# Altium PCB Bran_Main_Assay_PCB_v2_20170726.PcbDoc (part 1 of 5) (continued)
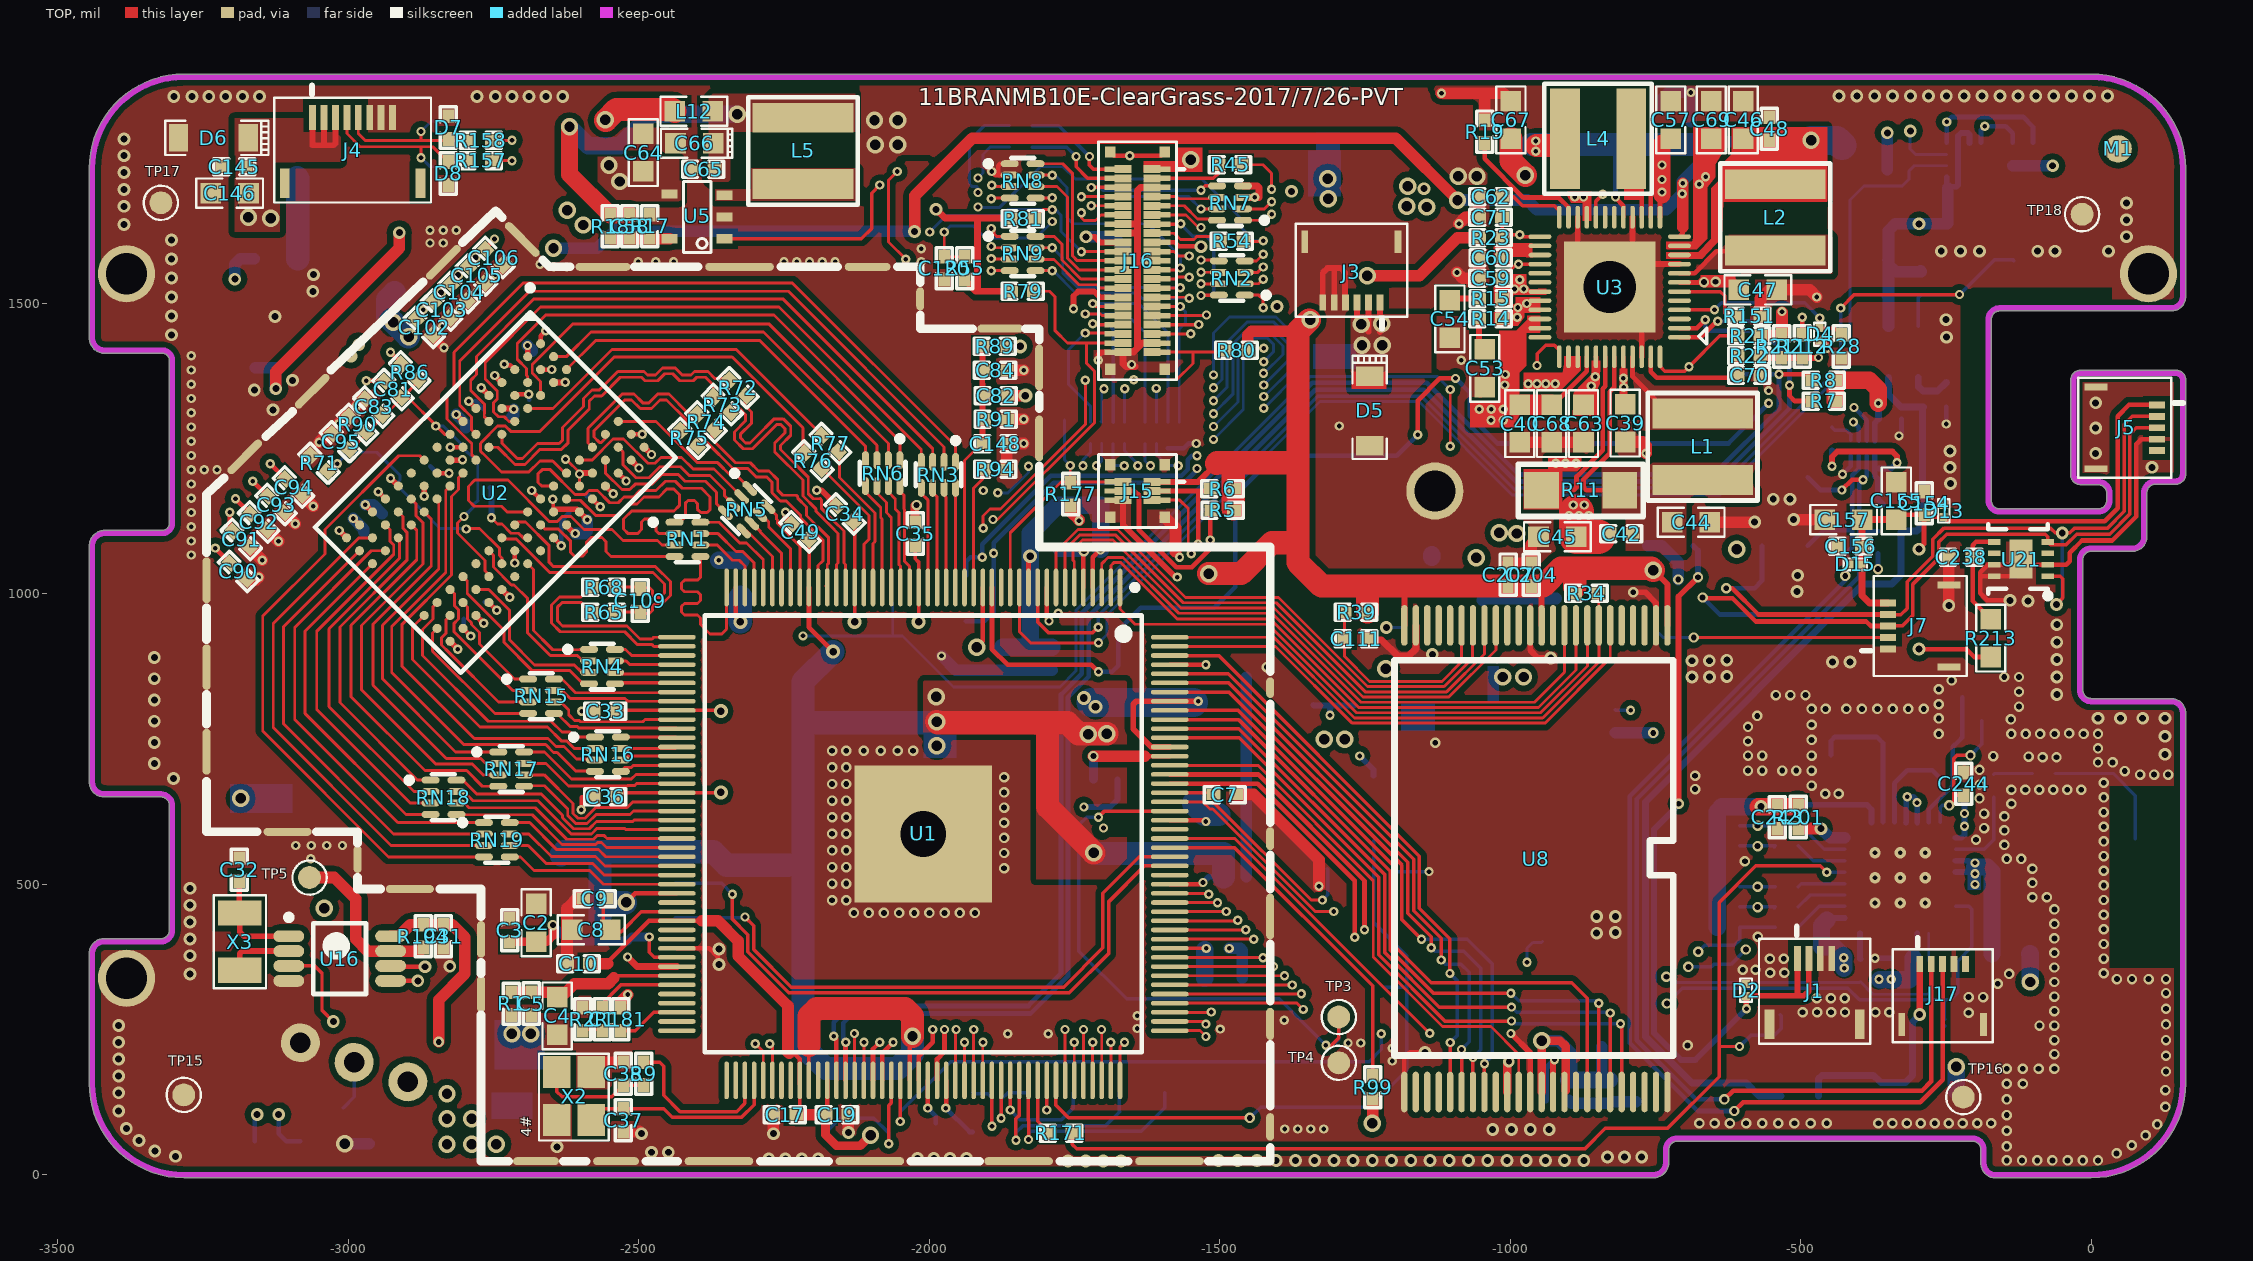
[diagram p0: TOP view]
## Components (designator, comment, footprint, x,y, rotation, side; value= is the part's Value field where it differs from the comment) (continued)
RN10 "100R*4" RCA50-8/3 -1599.45,1273.19 r90 bottom
RN11 "100R*4" RCA50-8/3 -1693.45,1273.19 r90 bottom
RN15 "33R*4" RCA50-8/3 -2668.43,823.92 r0 top
RN16 "33R*4" RCA50-8/3 -2553.34,724.04 r0 top
RN17 "33R*4" RCA50-8/3 -2719.8,698.5 r0 top
RN18 "33R*4" RCA50-8/3 -2836.43,649.92 r0 top
RN19 "33R*4" RCA50-8/3 -2744.43,576.92 r0 top
TP2 "Test Point" TESTPOINT1 -133.86,1574.8 r270 bottom
TP3 "Test Point" TESTPOINT1 -1295.28,271.65 r90 top
TP4 "Test Point" TESTPOINT1 -1295.28,192.91 r90 top
TP5 "32K" TESTPOINT2 -3066.93,511.81 r90 top
TP6 "Test Point" TESTPOINT2 -488.19,1437.01 r270 bottom
TP7 "Test Point" TESTPOINT2 -594.49,1377.95 r90 bottom
TP8 "Test Point" TESTPOINT2 -429.13,1770.76 r90 bottom
TP9 "Test Point" TESTPOINT2 -2633.86,551.18 r90 bottom
TP10 "Test Point" TESTPOINT2 -2707.46,118 r90 bottom
TP11 "Test Point" TESTPOINT2 -566.93,1771.65 r90 bottom
TP12 "Test Point" TESTPOINT2 -350.39,1574.8 r90 bottom
TP13 "Test Point" TESTPOINT2 -933.07,1110.24 r90 bottom
TP14 "Test Point" TESTPOINT2 -1216.54,322.83 r270 bottom
TP15 "Test Point" TESTPOINT2 -3283.46,137.8 r90 top
TP16 "Test Point" TESTPOINT2 -220.47,133.86 r90 top
TP17 "Test Point" TESTPOINT2 -3322.83,1673.23 r270 top
TP18 "Test Point" TESTPOINT2 -15.75,1653.54 r270 top
TP19 "Test Point" TESTPOINT2 -3283.46,302.25 r90 bottom
TP20 "Test Point" TESTPOINT2 -299.21,133.86 r90 bottom
TP21 "Test Point" TESTPOINT2 -3322.83,1751.97 r90 bottom
TP22 "Test Point" TESTPOINT2 -15.75,1574.8 r270 bottom
TP23 "Test Point" TESTPOINT2 -842.52,220.47 r270 bottom
TP24 "Test Point" TESTPOINT2 -767.72,125.98 r270 bottom
TP25 "Test Point" TESTPOINT2 -1663.46,1595 r90 bottom
TP26 "Test Point" TESTPOINT2 -2062.99,984.25 r270 bottom
TP27 "Test Point" TESTPOINT2 -921.26,992.13 r270 bottom
TP28 "Test Point" TESTPOINT2 -1937.01,1031.5 r270 bottom
TP29 "Test Point" TESTPOINT2 -1937.01,952.76 r270 bottom
TP30 "Test Point" TESTPOINT2 -1767.72,1299.21 r270 bottom
TP31 "Test Point" TESTPOINT2 -685.04,1082.68 r270 bottom
TP32 "Test Point" TESTPOINT2 -1314.96,1409.45 r270 bottom
TP33 "Test Point" TESTPOINT2 -1314.96,1771.65 r270 bottom
TP34 "Test Point" TESTPOINT2 -1157.48,787.4 r270 bottom
TP35 "Test Point" TESTPOINT2 -566.93,964.57 r270 bottom
TP36 "Test Point" TESTPOINT2 -566.93,1082.68 r90 bottom
TP37 "Test Point" TESTPOINT2 -944.88,401.57 r90 bottom
TP38 "Test Point" TESTPOINT1 -1673.23,141.73 r90 bottom
TP39 "Test Point" TESTPOINT1 -1751.97,141.73 r90 bottom
TP40 "Test Point" TESTPOINT1 -1830.71,141.73 r90 bottom
TP41 "Test Point" TESTPOINT1 -1925.2,141.73 r90 bottom
TP42 "Test Point" TESTPOINT1 -1594.49,141.73 r90 bottom
TP43 "Test Point" TESTPOINT1 -535.43,275.59 r90 bottom
TP44 "Test Point" TESTPOINT1 -251.97,267.72 r90 bottom
TP45 "Test Point" TESTPOINT1 -649.61,362.2 r90 bottom
TP46 "Test Point" TESTPOINT2 -291.34,1267.72 r90 bottom
TP47 "Test Point" TESTPOINT2 -488.19,1200.79 r90 bottom
TP48 "Test Point" TESTPOINT2 -488.19,1082.68 r270 bottom
TP49 "Test Point" TESTPOINT2 -3125.98,649.61 r270 bottom
TP50 "Test Point" TESTPOINT2 -763.78,1082.68 r270 bottom
TP51 "Test Point" TESTPOINT2 -220.47,133.86 r90 bottom
TP52 "Test Point" TESTPOINT2 -2826.77,1735.32 r270 bottom
TP53 "Test Point" TESTPOINT2 -2826.77,1814.06 r270 bottom
TP54 "Test Point" TESTPOINT2 -3161.42,59.06 r270 bottom
TP55 "Test Point" TESTPOINT2 -3082.68,59.06 r270 bottom
TP56 "Test Point" TESTPOINT2 -3240.16,59.06 r270 bottom
TP57 "Test Point" TESTPOINT1 -1295.28,271.65 r270 bottom
TP85 "Test Point" TESTPOINT2 -2003.94,73.91 r270 bottom
TP86 "Test Point" TESTPOINT2 -744.09,929.13 r270 bottom
TP87 "Test Point" TESTPOINT2 -2181.1,69.97 r270 bottom
TP88 "Test Point" TESTPOINT2 -1314.96,526.66 r270 bottom
TP89 "Test Point" TESTPOINT2 -1925.2,73.91 r270 bottom
U1 "R8" TQFP177P0_4 -2010.43,586.92 r270 top locked
U2 "DDR3-FBGA96" FBGA96C80P9X13 -2747.05,1174.55 r315 top locked
U3 "AXP209" QFN48_6X6 -829.02,1528.31 r180 top locked
U4 "AP3410/SY8088" SOT-23-5 -3124.45,1576.74 r270 bottom
U5 "AP3410/SY8088" SOT-23-5 -2352.45,1648.74 r180 top
U7 "ESP8089" QFN32 -329.02,511.31 r180 bottom locked
U8 "NAND FLASH X8" SSOP48 -729.65,945.83 r270 top locked
U9 "SGM3756" TDFN-2*2-6L -1142.46,942 r270 bottom
U10 "LIS2DH12" LGA-12 -219.45,1746.83 r270 bottom
U15 "SGM65501-ADJ" TSOT-23-6 -1198.02,631.1 r90 bottom
U16 "PCF8563/AT8563S" SO8N -3015.02,372.46 r0 top
U19 "MAX8891EXK18+T" SC70 -323.46,1416.61 r270 bottom
U20 "TXS0102DQER" DQE -393.46,1251 r180 bottom
U21 "STS30" DFN -121,1060 r90 top
X1 "NC-XTAL3225-26M" XTAL/3225 -314.94,696.94 r180 bottom
X2 "24M-18pF-3225-10PPM" XTAL/3225 -2582.02,94.31 r90 top
X3 "32.768K/12.5pF/±10ppm" 3215 -3187.02,401.46 r90 top

## Footprints (in the part's own frame and the unit in brackets; to place one, negate y for a bottom-side part, rotate by r counter-clockwise, add the part's x,y. Pads: shape width x height; smd on the part's side, far side on the other; paste and mask are expansions set on the pad)
0201 [mm]
  rect 0.35x0.35 smd: 1(-0.265,0) 2(0.265,0)
  silkscreen extent -0.51,-0.25 0.51,0.25, body extent -0.39,-0.25 0.39,0.25, height 0.3
3215 [mm]
  rect 1.1x1.9 smd: 1(-1.25,0) 2(1.25,0)
  silkscreen extent -2.03,-1.14 2.03,1.14, body extent -1.9,-1.05 1.9,1.05, height 0.8
3216 [mm]
  rect 0.8x0.65 smd: 1(-1.7,-0.475) 3(-1.7,0.475)
  rect 0.8x1.6 smd: 2(1.7,0)
  rect 0.4x0.8 smd: 3(-1.5,0)
  silkscreen extent -2.54,-1.02 2.29,1.02, body extent -1.72,-0.85 1.72,0.85, height 0.7
503304-4240 [mm]
  rect 0.35x0.73 smd: 1(-4,0.635) 2(-4,-0.635) 3(-3.6,0.635) 4(-3.6,-0.635) 5(-3.2,0.635) 6(-3.2,-0.635) 7(-2.8,0.635) 8(-2.8,-0.635) 9(-2.4,0.635) 10(-2.4,-0.635) 11(-2,0.635) 12(-2,-0.635) 13(-1.6,0.635) 14(-1.6,-0.635) 15(-1.2,0.635) 16(-1.2,-0.635) 17(-0.8,0.635) 18(-0.8,-0.635) 19(-0.4,0.635) 20(-0.4,-0.635) 21(0,0.635) 22(0,-0.635) 23(0.4,0.635) 24(0.4,-0.635) 25(0.8,0.635) 26(0.8,-0.635) 27(1.2,0.635) 28(1.2,-0.635) 29(1.6,0.635) 30(1.6,-0.635) 31(2,0.635) 32(2,-0.635) 33(2.4,0.635) 34(2.4,-0.635) 35(2.8,0.635) 36(2.8,-0.635) 37(3.2,0.635) 38(3.2,-0.635) 39(3.6,0.635) 40(3.6,-0.635) 41(4,0.635) 42(4,-0.635)
  rect 0.24x0.45 smd paste+0: 1(-4,1.225) 3(-3.6,1.225) 5(-3.2,1.225) 7(-2.8,1.225) 8(-2.8,-1.225) 9(-2.4,1.225) 10(-2.4,-1.225) 11(-2,1.225) 12(-2,-1.225) 13(-1.6,1.225) 14(-1.6,-1.225) 15(-1.2,1.225) 16(-1.2,-1.225) 17(-0.8,1.225) 18(-0.8,-1.225) 19(-0.4,1.225) 20(-0.4,-1.225) 21(0,1.225) 22(0,-1.225) 23(0.4,1.225) 24(0.4,-1.225) 25(0.8,1.225) 26(0.8,-1.225) 27(1.2,1.225) 28(1.2,-1.225) 29(1.6,1.225) 30(1.6,-1.225) 31(2,1.225) 32(2,-1.225) 33(2.4,1.225) 34(2.4,-1.225) 35(2.8,1.225) 36(2.8,-1.225) 37(3.2,1.225) 38(3.2,-1.225) 39(3.6,1.225) 40(3.6,-1.225) 41(4,1.225) 42(4,-1.225)
  rect 0.24x0.45 smd: 2(-4,-1.225) 4(-3.6,-1.225) 6(-3.2,-1.225)
  rect 0.5x0.47 smd: 43(-4.75,1.195) 44(4.75,1.195) 45(-4.75,-1.195) 46(4.75,-1.195)
  silkscreen extent -5.2,-1.7 5.21,2.03, body extent -5.1,-1.55 5.1,1.55, height 0.68
503480-0500 [mm]
  rect 0.7x0.3 smd: 1(1.325,1) 2(1.325,0.5) 3(1.325,0) 4(1.325,-0.5) 5(1.325,-1)
  rect 1x0.3 smd: 6(-1.325,1.79) 7(-1.325,-1.79)
  silkscreen extent -2.1,-2.19 2.47,2.19, body extent -1.93,-2.04 1.78,2.04, height 1
503480-0600 [mm]
  rect 0.7x0.3 smd: 1(1.325,1.25) 2(1.325,0.75) 3(1.325,0.25) 4(1.325,-0.25) 5(1.325,-0.75) 6(1.325,-1.25)
  rect 1x0.3 smd: 7(-1.325,2.04) 8(-1.325,-2.04)
  silkscreen extent -2.1,-2.44 2.47,2.44, body extent -1.93,-2.29 1.78,2.29, height 1
503480-0620 [mm]
  rect 0.24x0.45 smd paste+0: 1(-0.4,1.225) 3(0,1.225) 5(0.4,1.225)
  rect 0.35x0.73 smd: 1(-0.4,0.635) 2(-0.4,-0.635) 3(0,0.635) 4(0,-0.635) 5(0.4,0.635) 6(0.4,-0.635)
  rect 0.24x0.45 smd: 2(-0.4,-1.225) 4(0,-1.225) 6(0.4,-1.225)
  rect 0.5x0.47 smd: 7(-1.15,1.195) 8(1.15,1.195) 9(-1.15,-1.195) 10(1.15,-1.195)
  silkscreen extent -1.6,-1.7 1.6,2.03, body extent -1.5,-1.55 1.5,1.55, height 0.68
BL-5C [mm]
  round 1.7 hole 0.9: 1(-2.5,0) 2(0,0) 3(2.5,0)
  silkscreen extent -5.1,-1.5 5.1,6.7, body extent -5.14,-0.95 5.14,6.67, height 4.2
C0402 [mm]
  rect 0.6x0.5 smd: 1(-0.5,0) 2(0.5,0)
  silkscreen extent -0.9,-0.35 0.9,0.35, body extent -0.51,-0.25 0.51,0.25, height 0.5
C_0402 [mm]
  rect 0.6x0.5 smd: 1(-0.5,0) 2(0.5,0)
  silkscreen extent -0.9,-0.35 0.9,0.35, body extent -0.51,-0.25 0.51,0.25, height 0.5
C_0603 [mm]
  rect 0.9x0.9 smd: 1(-0.826,0) 2(0.826,0)
  silkscreen extent -1.46,-0.64 1.46,0.64, body extent -1.38,-0.55 1.38,0.55, height 0.9
CD32 [mm]
  rect 1.3x4.4 smd: 1(-1.45,0) 2(1.45,0)
  silkscreen extent -2.35,-2.4 2.35,2.4, body extent -1.92,-2.1 2.27,2.1, height 1.8
DFN [mm]
  rect 0.25x0.55 smd: 1(-0.75,-1.175) 2(-0.25,-1.175) 3(0.25,-1.175) 4(0.75,-1.175) 5(0.75,1.175) 6(0.25,1.175) 7(-0.25,1.175) 8(-0.75,1.175)
  rect 1.7x1 smd: 9(0,0)
  silkscreen extent -1.72,-1.3 1.53,1.43, body extent -1.48,-1.55 1.51,1.55, height 1
DQE [mm]
  rect 0.2x0.53 smd: 1(-0.525,-0.335) 2(-0.175,-0.335) 3(0.175,-0.335) 4(0.525,-0.335) 5(0.525,0.335) 6(0.175,0.335) 7(-0.175,0.335) 8(-0.525,0.335)
  silkscreen extent -1.23,-0.76 0.8,0.76
ESD_0402 [mm]
  rect 0.6x0.5 smd: 1(-0.5,0) 2(0.5,0)
  silkscreen extent -0.9,-0.35 0.9,0.35, body extent -0.51,-0.25 0.51,0.25, height 0.5
FBGA96C80P9X13 [mm]
  round 0.4 smd: A1(-3.2,6) A2(-2.4,6) A3(-1.6,6) A7(1.6,6) A8(2.4,6) A9(3.2,6) B1(-3.2,5.2) B2(-2.4,5.2) B3(-1.6,5.2) B7(1.6,5.2) B8(2.4,5.2) B9(3.2,5.2) C1(-3.2,4.4) C2(-2.4,4.4) C3(-1.6,4.4) C7(1.6,4.4) C8(2.4,4.4) C9(3.2,4.4) D1(-3.2,3.6) D2(-2.4,3.6) D3(-1.6,3.6) D7(1.6,3.6) D8(2.4,3.6) D9(3.2,3.6) E1(-3.2,2.8) E2(-2.4,2.8) E3(-1.6,2.8) E7(1.6,2.8) E8(2.4,2.8) E9(3.2,2.8) F1(-3.2,2) F2(-2.4,2) F3(-1.6,2) F7(1.6,2) F8(2.4,2) F9(3.2,2) G1(-3.2,1.2) G2(-2.4,1.2) G3(-1.6,1.2) G7(1.6,1.2) G8(2.4,1.2) G9(3.2,1.2) H1(-3.2,0.4) H2(-2.4,0.4) H3(-1.6,0.4) H7(1.6,0.4) H8(2.4,0.4) H9(3.2,0.4) J1(-3.2,-0.4) J2(-2.4,-0.4) J3(-1.6,-0.4) J7(1.6,-0.4) J8(2.4,-0.4) J9(3.2,-0.4) K1(-3.2,-1.2) K2(-2.4,-1.2) K3(-1.6,-1.2) K7(1.6,-1.2) K8(2.4,-1.2) K9(3.2,-1.2) L1(-3.2,-2) L2(-2.4,-2) L3(-1.6,-2) L7(1.6,-2) L8(2.4,-2) L9(3.2,-2) M1(-3.2,-2.8) M2(-2.4,-2.8) M3(-1.6,-2.8) M7(1.6,-2.8) M8(2.4,-2.8) M9(3.2,-2.8) N1(-3.2,-3.6) N2(-2.4,-3.6) N3(-1.6,-3.6) N7(1.6,-3.6) N8(2.4,-3.6) N9(3.2,-3.6) P1(-3.2,-4.4) P2(-2.4,-4.4) P3(-1.6,-4.4) P7(1.6,-4.4) P8(2.4,-4.4) P9(3.2,-4.4) R1(-3.2,-5.2) R2(-2.4,-5.2) R3(-1.6,-5.2) R7(1.6,-5.2) R8(2.4,-5.2) R9(3.2,-5.2) T1(-3.2,-6) T2(-2.4,-6) T3(-1.6,-6) T7(1.6,-6) T8(2.4,-6) T9(3.2,-6)
  silkscreen extent -5.38,-6.65 4.5,7.52, body extent -3.5,-6.3 3.5,6.3, height 1
FPC_CON4-KYOCERA [mm] "厂?"
  rect 1.1x0.3 smd: 1(1.435,0.75) 2(1.435,0.25) 3(1.435,-0.25) 4(1.435,-0.75)
  rect 1.3x0.42 smd: 5(-1.435,1.97) 6(-1.435,-1.97)
  silkscreen extent -2.29,-2.43 2.83,2.43, body extent -2.19,-2.28 2.09,2.28, height 1
FPC_CON8-KYOCERA [mm] "厂?"
  rect 1.1x0.3 smd: 1(1.435,1.75) 2(1.435,1.25) 3(1.435,0.75) 4(1.435,0.25) 5(1.435,-0.25) 6(1.435,-0.75) 7(1.435,-1.25) 8(1.435,-1.75)
  rect 1.3x0.42 smd: 9(-1.435,2.97) 10(-1.435,-2.97)
  silkscreen extent -2.29,-3.43 2.83,3.43, body extent -2.19,-3.28 2.09,3.28, height 1
L_0603 [mm]
  rect 0.9x0.9 smd: 1(-0.826,0) 2(0.826,0)
  silkscreen extent -1.46,-0.64 1.46,0.64, body extent -1.38,-0.55 1.38,0.55, height 0.9
LGA-12 [mm]
  rect 0.275x0.25 smd: 1(-0.75,0.75) 2(-0.75,0.25) 3(-0.75,-0.25) 4(-0.75,-0.75) 7(0.75,-0.75) 8(0.75,-0.25) 9(0.75,0.25) 10(0.75,0.75)
  rect 0.25x0.275 smd: 5(-0.25,-0.75) 6(0.25,-0.75) 11(0.25,0.75) 12(-0.25,0.75)
  silkscreen extent -1.14,-1.14 1.14,1.52, body extent -0.99,-0.99 0.99,0.99, height 1.2
MARK_POINT#1 [mil]
  round 47.24 smd: 4(0,0)
  round 160 on Top Solder: 5(0,0)
MARK_POINT#2 [mil]
  round 47.24 smd: 4(0,0)
  round 160 on Bottom Solder: 5(0,0)
PROGRAM_1/2 [mm]
  rect 1.1x2 smd: 1(0,0.95)
  rect 1.1x0.8 smd: 2(0,-0.95)
  silkscreen extent -0.76,-1.52 0.76,2.39, body extent -0.65,-1.45 0.65,2.05, height 0.8
QFN32 [mm] "QFN, 32-Leads, Body 5.00x5.00mm, Pitch 0.50mm, Thermal Pad 3.70x3.70mm, IPC Medium Density"
  oval 0.8x0.25 smd: 1(-2.425,1.75) 2(-2.425,1.25) 3(-2.425,0.75) 4(-2.425,0.25) 5(-2.425,-0.25) 6(-2.425,-0.75) 7(-2.425,-1.25) 8(-2.425,-1.75) 17(2.425,-1.75) 18(2.425,-1.25) 19(2.425,-0.75) 20(2.425,-0.25) 21(2.425,0.25) 22(2.425,0.75) 23(2.425,1.25) 24(2.425,1.75)
  oval 0.25x0.8 smd: 9(-1.75,-2.425) 10(-1.25,-2.425) 11(-0.75,-2.425) 12(-0.25,-2.425) 13(0.25,-2.425) 14(0.75,-2.425) 15(1.25,-2.425) 16(1.75,-2.425) 25(1.75,2.425) 26(1.25,2.425) 27(0.75,2.425) 28(0.25,2.425) 29(-0.25,2.425) 30(-0.75,2.425) 31(-1.25,2.425) 32(-1.75,2.425)
  rect 3.6x3.6 smd: 33(0,0)
  silkscreen extent -3.45,-2.68 2.68,2.67, body extent -2.52,-2.53 2.53,2.52, height 0.8
QFN48_6X6 [mm]
  oval 1x0.2 smd: 1(-3.05,2.2) 2(-3.05,1.8) 3(-3.05,1.4) 4(-3.05,1) 5(-3.05,0.6) 6(-3.05,0.2) 7(-3.05,-0.2) 8(-3.05,-0.6) 9(-3.05,-1) 10(-3.05,-1.4) 11(-3.05,-1.8) 12(-3.05,-2.2) 25(3.05,-2.2) 26(3.05,-1.8) 27(3.05,-1.4) 28(3.05,-1) 29(3.05,-0.6) 30(3.05,-0.2) 31(3.05,0.2) 32(3.05,0.6) 33(3.05,1) 34(3.05,1.4) 35(3.05,1.8) 36(3.05,2.2)
  oval 0.2x1 smd: 13(-2.2,-3.05) 14(-1.8,-3.05) 15(-1.4,-3.05) 16(-1,-3.05) 17(-0.6,-3.05) 18(-0.2,-3.05) 19(0.2,-3.05) 20(0.6,-3.05) 21(1,-3.05) 22(1.4,-3.05) 23(1.8,-3.05) 24(2.2,-3.05) 37(2.2,3.05) 38(1.8,3.05) 39(1.4,3.05) 40(1,3.05) 41(0.6,3.05) 42(0.2,3.05) 43(-0.2,3.05) 44(-0.6,3.05) 45(-1,3.05) 46(-1.4,3.05) 47(-1.8,3.05) 48(-2.2,3.05)
  rect 4x4 / inner round 3.048 / far side round 3.048 hole 2.286: 49(0,0)
  silkscreen extent -4.24,1.8 -3.89,2.49, body extent -3.65,-3.65 3.65,3.65, height 0.8
R0402 [mm]
  rect 0.6x0.5 smd: 1(-0.5,0) 2(0.5,0)
  silkscreen extent -0.9,-0.35 0.9,0.35, body extent -0.51,-0.25 0.51,0.25, height 0.5
R_0402 [mm]
  rect 0.6x0.5 smd: 1(-0.5,0) 2(0.5,0)
  silkscreen extent -0.9,-0.35 0.9,0.35, body extent -0.51,-0.25 0.51,0.25, height 0.5
R_0603 [mm]
  rect 0.9x0.9 smd: 1(-0.826,0) 2(0.826,0)
  silkscreen extent -1.46,-0.64 1.46,0.64, body extent -1.38,-0.55 1.38,0.55, height 0.9
R_0603' [mm]
  rect 0.9x0.9 smd: 1(-0.826,0) 2(0.826,0)
  silkscreen extent 0.32,-0.64 1.46,0.63, body extent -1.38,-0.55 1.38,0.55, height 0.9
R_1206 [mm]
  rect 1.52x1.6 smd: 1(1.71,0) 2(-1.71,0)
  silkscreen extent -2.73,-1.14 2.73,1.14, body extent -2.57,-0.9 2.57,0.9, height 0.9
RCA50-8/3 [mil]
  oval 31x12 smd: 1(-22.23,29.53) 2(-22.23,9.84) 3(-22.23,-9.84) 4(-22.23,-29.53) 5(22.25,-29.53) 6(22.25,-9.84) 7(22.25,9.84) 8(22.25,29.53)
  silkscreen extent -64,-39 20,39, body extent -42,-40 42,40, height 12
SC70 [mm]
  rect 0.9x0.4 smd: 1(-1.125,0.65) 2(-1.125,0) 3(-1.125,-0.65) 4(1.125,-0.65) 5(1.125,0.65)
  silkscreen extent -1.78,-1.1 1.78,1.65, body extent -0.67,-1.1 0.67,1.1, height 1.1
SO8N [mm] "TSOP, 8-Leads, Body 3.00x3.00mm, Pitch 0.65mm, IPC Medium Density"
  oval 1.35x0.52 smd: 1(-2.225,0.975) 2(-2.225,0.325) 3(-2.225,-0.325) 4(-2.225,-0.975) 5(2.225,-0.975) 6(2.225,-0.325) 7(2.225,0.325) 8(2.225,0.975)
  silkscreen extent -2.35,-1.55 1.15,1.92, body extent -1.55,-1.55 1.55,1.55, height 1.1
SOD-123 [mm]
  rect 0.85x1.2 smd: 1(1.525,0) 2(-1.525,0)
  silkscreen extent -2.1,-0.75 2.41,0.75, body extent -2.05,-0.7 2.05,0.7, height 0.8
SOT-23-5 [mm]
  rect 0.7x0.4 smd: 1(0,0.95) 2(0,0) 3(0,-0.95) 4(2.4,-1) 5(2.4,0.95)
  silkscreen extent 0.6,-1.55 1.8,1.55, body extent -0.45,-1.3 2.85,1.25, height 1.25
SSOP48 [mm]
  oval 1.778x0.275 smd: 1(0,0) 2(0,-0.5) 3(0,-1) 4(0,-1.5) 5(0,-2) 6(0,-2.5) 7(0,-3) 8(0,-3.5) 9(0,-4) 10(0,-4.5) 11(0,-5) 12(0,-5.5) 13(0,-6) 14(0,-6.5) 15(0,-7) 16(0,-7.5) 17(0,-8) 18(0,-8.5) 19(0,-9) 20(0,-9.5) 21(0,-10) 22(0,-10.5) 23(0,-11) 24(0,-11.5) 25(20.4,-11.5) 26(20.4,-11) 27(20.4,-10.5) 28(20.4,-10) 29(20.4,-9.5) 30(20.4,-9) 31(20.4,-8.5) 32(20.4,-8) 33(20.4,-7.5) 34(20.4,-7) 35(20.4,-6.5) 36(20.4,-6) 37(20.4,-5.5) 38(20.4,-5) 39(20.4,-4.5) 40(20.4,-4) 41(20.4,-3.5) 42(20.4,-3) 43(20.4,-2.5) 44(20.4,-2) 45(20.4,-1.5) 46(20.4,-1) 47(20.4,-0.5) 48(20.4,0)
  silkscreen extent 1.52,-11.94 18.8,0.25, body extent -0.99,-11.74 21.39,0.24, height 1.2
TAN_0603 [mm]
  rect 0.9x0.9 smd: 1(-0.826,0) 2(0.826,0)
  silkscreen extent -1.65,-0.64 1.46,0.64, body extent -1.38,-0.55 1.38,0.55, height 0.9
TDFN-2*2-6L [mm]
  rect 0.24x0.65 smd: 1(-0.65,-0.975) 2(0,-0.975) 3(0.65,-0.975) 4(0.65,0.975) 5(0,0.975) 6(-0.65,0.975)
  rect 1.4x0.8 smd: 7(0,0)
  silkscreen extent -0.89,-1.76 0.89,1.4
TESTPOINT1 [mm]
  round 1 smd: 1(0,0)
  silkscreen extent -0.75,-0.75 0.75,0.75, body extent -0.6,-0.6 0.6,0.6, height 0.1
TESTPOINT2 [mm]
  round 1 smd: 1(0,0)
  silkscreen extent -0.75,-0.75 0.75,0.75, body extent -0.6,-0.6 0.6,0.6, height 0.1
TQFP177P0_4 [mm]
  oval 1.65x0.2 smd: 1(-10.775,8.6) 2(-10.775,8.2) 3(-10.775,7.8) 4(-10.775,7.4) 5(-10.775,7) 6(-10.775,6.6) 7(-10.775,6.2) 8(-10.775,5.8) 9(-10.775,5.4) 10(-10.775,5) 11(-10.775,4.6) 12(-10.775,4.2) 13(-10.775,3.8) 14(-10.775,3.4) 15(-10.775,3) 16(-10.775,2.6) 17(-10.775,2.2) 18(-10.775,1.8) 19(-10.775,1.4) 20(-10.775,1) 21(-10.775,0.6) 22(-10.775,0.2) 23(-10.775,-0.2) 24(-10.775,-0.6) 25(-10.775,-1) 26(-10.775,-1.4) 27(-10.775,-1.8) 28(-10.775,-2.2) 29(-10.775,-2.6) 30(-10.775,-3) 31(-10.775,-3.4) 32(-10.775,-3.8) 33(-10.775,-4.2) 34(-10.775,-4.6) 35(-10.775,-5) 36(-10.775,-5.4) 37(-10.775,-5.8) 38(-10.775,-6.2) 39(-10.775,-6.6) 40(-10.775,-7) 41(-10.775,-7.4) 42(-10.775,-7.8) 43(-10.775,-8.2) 44(-10.775,-8.6) 89(10.775,-8.6) 90(10.775,-8.2) 91(10.775,-7.8) 92(10.775,-7.4) 93(10.775,-7) 94(10.775,-6.6) 95(10.775,-6.2) 96(10.775,-5.8) 97(10.775,-5.4) 98(10.775,-5) 99(10.775,-4.6) 100(10.775,-4.2) 101(10.775,-3.8) 102(10.775,-3.4) 103(10.775,-3) 104(10.775,-2.6) 105(10.775,-2.2) 106(10.775,-1.8) 107(10.775,-1.4) 108(10.775,-1) 109(10.775,-0.6) 110(10.775,-0.2) 111(10.775,0.2) 112(10.775,0.6) 113(10.775,1) 114(10.775,1.4) 115(10.775,1.8) 116(10.775,2.2) 117(10.775,2.6) 118(10.775,3) 119(10.775,3.4) 120(10.775,3.8) 121(10.775,4.2) 122(10.775,4.6) 123(10.775,5) 124(10.775,5.4) 125(10.775,5.8) 126(10.775,6.2) 127(10.775,6.6) 128(10.775,7) 129(10.775,7.4) 130(10.775,7.8) 131(10.775,8.2) 132(10.775,8.6)
  oval 0.2x1.65 smd: 45(-8.6,-10.775) 46(-8.2,-10.775) 47(-7.8,-10.775) 48(-7.4,-10.775) 49(-7,-10.775) 50(-6.6,-10.775) 51(-6.2,-10.775) 52(-5.8,-10.775) 53(-5.4,-10.775) 54(-5,-10.775) 55(-4.6,-10.775) 56(-4.2,-10.775) 57(-3.8,-10.775) 58(-3.4,-10.775) 59(-3,-10.775) 60(-2.6,-10.775) 61(-2.2,-10.775) 62(-1.8,-10.775) 63(-1.4,-10.775) 64(-1,-10.775) 65(-0.6,-10.775) 66(-0.2,-10.775) 67(0.2,-10.775) 68(0.6,-10.775) 69(1,-10.775) 70(1.4,-10.775) 71(1.8,-10.775) 72(2.2,-10.775) 73(2.6,-10.775) 74(3,-10.775) 75(3.4,-10.775) 76(3.8,-10.775) 77(4.2,-10.775) 78(4.6,-10.775) 79(5,-10.775) 80(5.4,-10.775) 81(5.8,-10.775) 82(6.2,-10.775) 83(6.6,-10.775) 84(7,-10.775) 85(7.4,-10.775) 86(7.8,-10.775) 87(8.2,-10.775) 88(8.6,-10.775) 133(8.6,10.775) 134(8.2,10.775) 135(7.8,10.775) 136(7.4,10.775) 137(7,10.775) 138(6.6,10.775) 139(6.2,10.775) 140(5.8,10.775) 141(5.4,10.775) 142(5,10.775) 143(4.6,10.775) 144(4.2,10.775) 145(3.8,10.775) 146(3.4,10.775) 147(3,10.775) 148(2.6,10.775) 149(2.2,10.775) 150(1.8,10.775) 151(1.4,10.775) 152(1,10.775) 153(0.6,10.775) 154(0.2,10.775) 155(-0.2,10.775) 156(-0.6,10.775) 157(-1,10.775) 158(-1.4,10.775) 159(-1.8,10.775) 160(-2.2,10.775) 161(-2.6,10.775) 162(-3,10.775) 163(-3.4,10.775) 164(-3.8,10.775) 165(-4.2,10.775) 166(-4.6,10.775) 167(-5,10.775) 168(-5.4,10.775) 169(-5.8,10.775) 170(-6.2,10.775) 171(-6.6,10.775) 172(-7,10.775) 173(-7.4,10.775) 174(-7.8,10.775) 175(-8.2,10.775) 176(-8.6,10.775)
  rrect0% 6x6 hole 2: 177(0,0)
  silkscreen extent -10.9,-9.55 9.55,9.55, body extent -11.7,-11.7 11.7,11.7, height 1.6
TSOT-23-6 [mil]
  rect 50x25 smd: 1(-56,37.4) 2(-56,0) 3(-56,-37.4) 4(56,-37.4) 5(56,0) 6(56,37.4)
  silkscreen extent -25,-65 25,65, body extent -85,-54 85,54, height 39
WTB_SIDE_6PIN [mm]
  rect 0.7x2.7 smd: 1(1.95,-3.7) 2(3.45,-3.7) 3(4.95,-3.7) 4(6.45,-3.7) 5(7.95,-3.7) 6(9.45,-3.7)
  rect 1.1x1.9 smd: 7(0,0) 8(11.4,0)
  silkscreen extent -1,-5.2 12.4,1.95, body extent -0.65,-5.15 12.05,1.05, height 3.75
XTAL/3225 [mm]
  rect 1.4x1.2 smd: 1(0,0) 2(2.1,0) 3(2.1,1.5) 4(0,1.5)
  silkscreen extent -0.89,-0.76 2.9,2.29, body extent -0.8,-0.7 2.9,2.2, height 0.8

## Free pads (board coordinates)
  round 98.43 hole 70.87: 0(-3381.89,338.58) 0(-3381.89,1551.18) 0(-1129.92,1177.17) 0(98.43,1551.18)
  oval 13.78x78.74 smd: 1(-3244.09,728.35) 1(-3244.09,874.02) 1(-3244.09,1023.62) 1(-1811.02,1267.72) 1(-1811.02,1389.76) 1(-1413.39,444.88)
  oval 78.74x13.78 smd rot 45: 1(-3178.44,1235.98) 1(-3062.43,1348.97) 1(-2836.41,1570.74)
  oval 82.68x13.78 smd: 1(-3104.72,590.55) 1(-2894.2,492.13)
  oval 13.78x47.24 smd: 1(-2984.25,543.31) 1(-1413.39,82.68)
  oval 13.78x62.99 smd: 1(-2771.65,311.02) 1(-2771.65,405.51)
  oval 78.74x13.78 smd rot 135: 1(-2700.74,1610.11)
  oval 78.74x13.78 smd: 1(-2677.17,23.62) 1(-2539.37,23.62) 1(-2106.3,1562.99) 1(-1877.95,1456.69)
  oval 94.49x13.78 smd: 1(-2561.81,1563)
  oval 118.11x13.78 smd: 1(-2362.2,23.62) 1(-2326.77,1563) 1(-2102.36,23.62) 1(-1846.46,23.62) 1(-1586.61,23.62)
  oval 13.78x39.37 smd: 1(-2015.75,1507.87) 1(-1413.39,578.74)
  oval 13.78x55.12 smd: 1(-1413.39,259.84)
  oval 13.78x35.43 smd: 1(-1413.39,838.58)
  oval 13.78x59.06 smd far side: 1(-692.91,267.72)
  oval 13.78x78.74 smd far side: 1(-692.91,444.88) 1(-692.91,578.74)
  oval 55.12x13.78 smd far side: 1(-594.49,665.35)
  oval 13.78x64.96 smd far side: 1(-547.24,775.59)
  oval 118.11x13.78 smd far side: 1(-519.69,208.66) 1(-444.88,850.39) 1(-141.73,208.66)
  oval 59.06x13.78 smd far side: 1(-350.39,208.66)
  oval 31.5x13.78 smd far side: 1(-188.98,850.39)
  oval 13.78x31.5 smd far side: 1(-149.61,818.9)
  oval 35.43x13.78 smd far side: 1(-62.99,787.4)
  oval 13.78x118.11 smd far side: 1(-3.94,330.71) 1(-3.94,586.61)

## Via types
v1: diameter 16, hole 8, TOP to BOTTOM, tented both sides, 429 vias
v2: diameter 18, hole 10, TOP to BOTTOM, tented both sides, 255 vias
v3: diameter 22, hole 12, TOP to BOTTOM, tented both sides, 197 vias
v4: diameter 30, hole 18, TOP to BOTTOM, tented both sides, 69 vias
v5: diameter 24, hole 13, TOP to BOTTOM, tented both sides, 11 vias
v6: diameter 19.68, hole 7.87, TOP to BOTTOM, 9 vias
v7: diameter 22, hole 2, TOP to BOTTOM, tented both sides, 2 vias
v8: diameter 20, hole 10, TOP to BOTTOM, tented both sides, 1 vias
v9: diameter 17.99, hole 10, TOP to BOTTOM, tented both sides, 1 vias

## Nets (pads, with @x,y where several pads share a name; then routed paths per layer and width w, separated by ;. In a path a pad name is that pad's centre, name@x,y a point inside that pad or via, vN(x,y) a via of type N, cw(c..) or ccw(c..) an arc to the next point about the centre after c; other vN are vias at no path point)
A0: RN17.4 U2.N3 | length 663.8
  TOP w5: U2.N3@-2891.82,1118.87 -2882.43,1109.48 -2882.43,1058.92 -2995.43,945.92 -2995.43,822.93 -2868.42,695.92 -2796.43,695.92 -2769.48,668.97 RN17.4@-2742.03,668.97
A1: RN15.2 U2.P7 | length 251.4
  TOP w5: U2.P7@-2825.01,1007.52 -2817.12,999.63 -2817.12,979.28 -2810.62,972.78 -2810.62,956.66 -2818.54,948.74 -2818.54,935.29 -2717.01,833.76 RN15.2@-2690.66,833.76
A2: RN18.2 U2.P3 | length 577.2
  TOP w5: U2.P3@-2914.09,1096.6 -2911.98,1094.49 -2911.98,1061.37 -3033.43,939.92 -3033.43,805.92 -2887.27,659.76 RN18.2@-2858.66,659.76
A3: RN18.1 U2.N2 | length 593
  TOP w5: U2.N2@-2914.09,1141.15 -2906.2,1133.27 -2906.2,1112.91 -2899.43,1106.14 -2899.43,1057.92 -3014.43,942.92 -3014.43,812.91 -2880.97,679.45 RN18.1@-2858.66,679.45
A4: RN15.1 U2.P8 | length 191.9
  TOP w5: U2.P8@-2802.74,985.24 -2794.85,977.36 -2794.85,957.02 -2788.08,950.25 -2788.08,947.27 -2774.49,933.68 -2774.49,913.97 -2713.97,853.45 RN15.1@-2690.66,853.45
A5: RN18.3 U2.P2 | length 641.2
  TOP w5: U2.P2@-2936.37,1118.87 -2928.47,1110.98 -2928.47,1090.64 -2921.98,1084.15 -2921.98,1068.37 -3054.43,935.92 -3054.43,800.92 -2893.59,640.08 RN18.3@-2858.66,640.08
A6: RN15.3 U2.R8 | length 247
  TOP w5: U2.R8@-2825,962.98 -2832.27,955.71 -2832.27,932.4 -2840.01,924.66 -2840.01,912.22 -2826.57,898.77 -2741.88,814.08 RN15.3@-2690.66,814.08
A7: RN19.3 U2.R2 | length 857.8
  TOP w5: U2.R2@-2958.63,1096.61 -2981.74,1096.61 -3129.43,948.92 -3129.43,769.91 -2926.6,567.08 RN19.3@-2766.66,567.08
A8: RN15.4 U2.T8 | length 251.1
  TOP w5: U2.T8@-2847.28,940.7 -2855.01,932.97 -2855.01,901.51 -2747.89,794.39 RN15.4@-2690.66,794.39
A9: RN19.1 U2.R3 | length 768.5
  TOP w5: U2.R3@-2936.36,1074.33 -2960.57,1074.33 -3092.43,942.47 -3092.43,783.91 -2914.97,606.45 RN19.1@-2766.66,606.45
A10: RN4.2 U2.L7 | length 311
  TOP w5: U2.L7@-2758.2,1074.33 -2750.3,1066.43 -2750.3,1046.1 -2719.61,1015.41 -2714.92,1015.41 -2691.43,991.92 -2691.43,932.9 -2679.41,920.88 -2668.02,909.5 -2652.44,893.92 -2605.99,893.92 RN4.2@-2598.99,886.92 ; RN4.2@-2598.99,886.92 RN4.2@-2585.66,884.76 -2587.83,886.92 RN4.2@-2598.99,886.92
A11: RN16.1 U2.R7 | length 456.7
  TOP w5: U2.R7@-2847.28,985.25 -2854.54,977.99 -2854.54,956.77 -2872.43,938.88 -2872.43,893.93 -2759.42,780.92 -2651.19,780.92 -2632.43,762.16 -2618.45,762.16 -2609.86,753.57 RN16.1@-2575.57,753.57
A12: RN4.4 U2.N7 | length 331.8
  TOP w5: U2.N7@-2802.74,1029.79 -2795.46,1022.51 -2795.46,1000.58 -2732.43,937.55 -2732.43,916.77 -2683.58,867.92 -2618.78,867.92 RN4.4@-2598.78,847.92 ; RN4.4@-2598.78,847.92 -2588.2,847.92 RN4.4@-2585.66,845.39 RN4.4@-2598.78,847.92
A13: RN18.4 U2.T3 | length 593.7
  TOP w5: U2.T3@-2958.63,1052.06 -3074.43,936.26 -3074.43,793.93 -2900.89,620.39 RN18.4@-2858.66,620.39
A14: RN16.2 U2.T7 | length 461.5
  TOP w5: U2.T7@-2869.55,962.98 -2889.43,943.1 -2889.43,886.93 -2773.42,770.92 -2657.43,770.92 -2633.67,747.16 -2624.67,747.16 -2611.39,733.88 RN16.2@-2575.57,733.88
AVCC: C61.1 R181.2 TP11.1 U1.81 U3.12 U4.1 | length 5088
  TOP w8: U3.12@-702.94,1614.99 -703.02,1614.92 U3.12@-708.94,1614.92 -702.94,1620.91 -702.94,1630.99
  TOP w12: v1(-2519.46,375) -2503.04,358.57 U1.81@-2434.64,358.57
  TOP w20: R181.2@-2531.3,287.68 -2531.3,297.8 v1@-2519.02,310.08 ; v3(-2025.46,1624) -2025.46,1685.47 -1926.46,1784.47 -1197.43,1784.47 v4(-1090.94,1677.99) ; -702.94,1630.99 -702.94,1688.99 v1(-702.94,1706.99)
  Singal w20: v4(-3041.46,459) -3214.46,632 -3214.46,1053.47 -3112.43,1155.51 -3112.43,1251.98 -3195.45,1335 v3(-3195.45,1541.74) -3195.45,1542.74 -3160.95,1577.24 -3082.46,1577.24 -3002.84,1656.86 -2691.33,1656.86 -2647.02,1612.55 v4(-2647.02,1595.31)
  POWER w20: v4@-3039.46,461 v4(-3041.46,459) -2762.3,459 -2687.13,383.83 -2528.29,383.83 v1(-2519.46,375) -2519.02,374.55 v1(-2519.02,310.45)
  BOTTOM w20: v3(-3195.45,1541.74) -3195.45,1567.74 -3186.45,1576.74 U4.1@-3161.85,1576.74 ; v4(-2647.02,1595.31) -2571.63,1595.31 -2538.94,1627.99 -2534.95,1624 v3(-2025.46,1624) ; v4(-1090.94,1677.99) -970.94,1677.99 -954.26,1661.31 -731.63,1661.31 v1(-703.94,1688.99) -703.94,1706.99 -703.94,1710.61 -644.02,1770.54 C61.1@-644.02,1778.33 -573.6,1778.33 TP11.1@-566.93,1771.65
BA0: RN17.3 U2.M2 | length 676.8
  TOP w5: U2.M2@-2891.83,1163.41 -2883.93,1155.52 -2883.93,1135.18 -2871.43,1122.68 -2871.43,1051.77 -2977.43,945.77 -2977.43,834.92 -2849.43,706.92 -2786.43,706.92 -2768.17,688.66 RN17.3@-2742.03,688.66
BA1: RN4.3 U2.N8 | length 297
  TOP w5: U2.N8@-2780.46,1007.52 -2758.54,1007.52 -2722.43,971.41 -2722.43,920.92 -2679.43,877.92 -2611.21,877.92 RN4.3@-2599.21,865.92 ; RN4.3@-2599.21,865.92 RN4.3@-2585.66,865.08 -2586.51,865.92 RN4.3@-2599.21,865.92
BA2: RN17.2 U2.M3 | length 615.8
  TOP w5: U2.M3@-2869.55,1141.14 -2857.43,1129.02 -2857.43,1047.92 -2957.43,947.92 -2957.43,842.92 -2831.43,716.92 -2772.27,716.92 -2763.69,708.34 RN17.2@-2742.03,708.34
BAT: C41.2 C42.2 C45.1 J2.1 R11.1 TP10.1 U3.38 U3.39 U3.42 | length 2913.7
  TOP w8: R11.1@-951.34,1178.31 R11.1@-946.34,1178.31 -891.02,1178.31 -886.02,1183.31 -886.02,1202.06 -841.02,1247.06 -841.02,1353.28 -836.89,1357.4 U3.42@-836.89,1408.23
  TOP w20: R11.1@-946.34,1158.13 R11.1@-946.34,1178.31
  TOP w60: v1@-885.89,1140.83 -885.89,1134.99 -885.89,1098.94 C45.1@-886.52,1098.31 -881.94,1098.31 -864.94,1098.31 -849.02,1098.31
  POWER w80: v4@-2790.02,103.31 -2787.8,103.31 -2747.02,103.31 -2724.32,126 -2266.32,126 -2218.45,173.87 -2218.45,262.41 -2178.56,302.31 -1758.46,302.31 -1601.39,459.38 -1601.39,615.93 -1552.06,665.27 -1356.72,665.27 -1157.19,465.74 -988.23,465.74 -875.45,578.52 ; -949.02,1341.31 -947.02,1341.31 -945.32,1339.61 -891.65,1285.94
  other v1: -898.94,1134.99 -881.94,1134.99 -864.94,1134.99 -891.94,1152.99 -872.94,1152.99 -921.94,1224.99 -904.94,1224.99 -886.94,1224.99 -969.02,1361.99 -954.02,1361.99 -938.94,1361.99 -922.94,1361.99
  other v4: -2830.3,52.99 -2787.8,52.99 -2745.3,52.99 -2830.3,96.99 -2787.8,96.99 -2830.3,139.99
BOOST_EN: R190.1 TP14.1 U1.125 U15.3 | length 1147
  TOP w5: U1.125@-1782.08,158 U1.125@-1782.08,162.71
  TOP w6: U1.125@-1782.08,158 -1782.08,119.9 -1760.49,98.31 -1448.77,98.31 v2(-1448.46,98)
  BOTTOM w6: v2(-1448.46,98) -1429.73,116.73 -1241.54,116.73 -1178.02,180.26 -1178.02,323 ; U15.3@-1235.42,575.1 -1235.42,520.83 -1235.42,434.5 -1178.02,377.1 -1178.02,323 ; TP14.1@-1216.37,323 -1178.02,323